# KiCad board LivSynth_Hardware.kicad_pcb (continued)
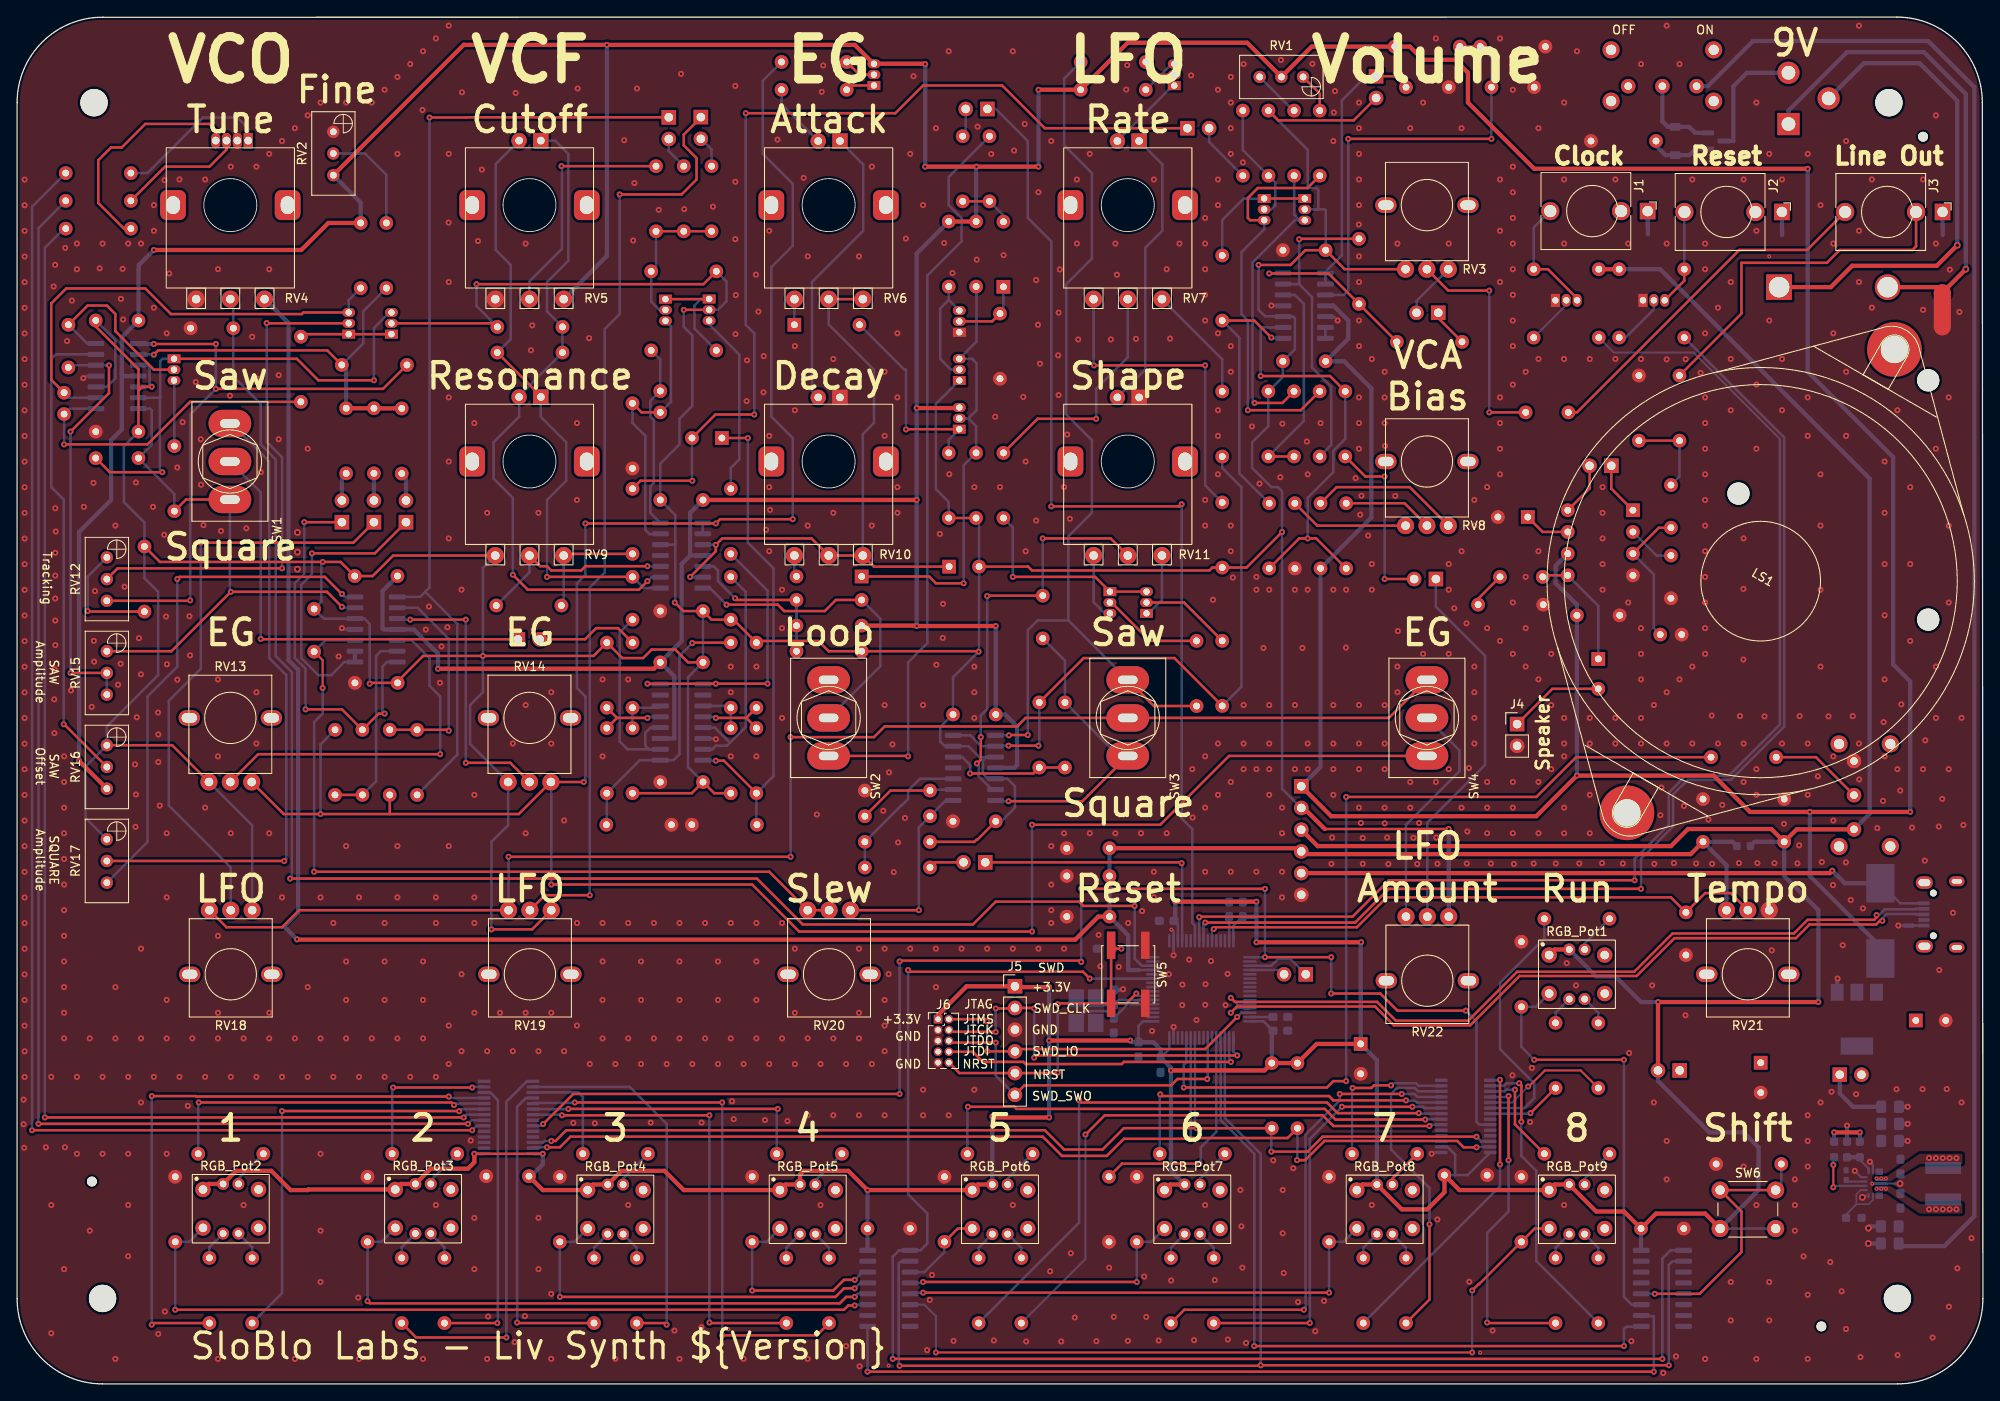
[diagram p0: board, top side]
## Placement (name value [footprint] x y rotation side) (continued)
R54  2K  [R_Axial_DIN0207_L6.3mm_D2.5mm_P7.62mm_Horizontal]  141 103.14 270 bottom
R55  2K2  [R_Axial_DIN0207_L6.3mm_D2.5mm_P7.62mm_Horizontal]  63.69 91.08 180 bottom
R56  100K  [R_Axial_DIN0207_L6.3mm_D2.5mm_P7.62mm_Horizontal]  155.5 103.04 270 bottom
R57  24K  [R_Axial_DIN0207_L6.3mm_D2.5mm_P7.62mm_Horizontal]  152.5 95.42 90 bottom
R58  150K  [R_Axial_DIN0207_L6.3mm_D2.5mm_P7.62mm_Horizontal]  149.5 103.04 270 bottom
R59  47K  [R_Axial_DIN0207_L6.3mm_D2.5mm_P7.62mm_Horizontal]  146.5 95.42 90 bottom
R60  82K  [R_Axial_DIN0207_L6.3mm_D2.5mm_P7.62mm_Horizontal]  91.19 91.73 0 bottom
R61  10R  [R_Axial_DIN0207_L6.3mm_D2.5mm_P7.62mm_Horizontal]  170.94 91.18 0 bottom
R62  1M  [R_Axial_DIN0207_L6.3mm_D2.5mm_P7.62mm_Horizontal]  141 86.95 270 bottom
R63  1M  [R_Axial_DIN0207_L6.3mm_D2.5mm_P7.62mm_Horizontal]  138 86.94 270 bottom
R64  100K  [R_Axial_DIN0207_L6.3mm_D2.5mm_P7.62mm_Horizontal]  91.19 85.73 0 bottom
R65  390  [R_Axial_DIN0207_L6.3mm_D2.5mm_P7.62mm_Horizontal]  14.9 90.37 90 bottom
R66  100K  [R_Axial_DIN0207_L6.3mm_D2.5mm_P7.62mm_Horizontal]  98.81 88.73 180 bottom
R67  100  [R_Axial_DIN0207_L6.3mm_D2.5mm_P7.62mm_Horizontal]  86.5 79.12 90 bottom
R68  10K  [R_Axial_DIN0207_L6.3mm_D2.5mm_P7.62mm_Horizontal]  83.5 86.74 270 bottom
R69  10K  [R_Axial_DIN0207_L6.3mm_D2.5mm_P7.62mm_Horizontal]  72 86.74 270 bottom
R70  100  [R_Axial_DIN0207_L6.3mm_D2.5mm_P7.62mm_Horizontal]  69 79.12 90 bottom
R71  51K  [R_Axial_DIN0207_L6.3mm_D2.5mm_P7.62mm_Horizontal]  122.6 79.74 270 bottom
R72  100K  [R_Axial_DIN0207_L6.3mm_D2.5mm_P7.62mm_Horizontal]  119.6 72.12 90 bottom
R73  10K  [R_Axial_DIN0207_L6.3mm_D2.5mm_P7.62mm_Horizontal]  205.81 73.33 180 bottom
R74  4K7  [R_Axial_DIN0207_L6.3mm_D2.5mm_P7.62mm_Horizontal]  86.5 76.74 270 bottom
R75  100  [R_Axial_DIN0207_L6.3mm_D2.5mm_P7.62mm_Horizontal]  83.5 69.12 90 bottom
R76  100  [R_Axial_DIN0207_L6.3mm_D2.5mm_P7.62mm_Horizontal]  72 69.12 90 bottom
R77  4k7  [R_Axial_DIN0207_L6.3mm_D2.5mm_P7.62mm_Horizontal]  69 76.74 270 bottom
R78  100K  [R_Axial_DIN0207_L6.3mm_D2.5mm_P7.62mm_Horizontal]  46.8 76.54 270 bottom
R79  100K  [R_Axial_DIN0207_L6.3mm_D2.5mm_P7.62mm_Horizontal]  43.6 68.92 90 bottom
R80  100K  [R_Axial_DIN0207_L6.3mm_D2.5mm_P7.62mm_Horizontal]  40.4 68.92 90 bottom
R81  100K  [R_Axial_DIN0207_L6.3mm_D2.5mm_P7.62mm_Horizontal]  37.2 76.54 270 bottom
R82  100K  [R_Axial_DIN0207_L6.3mm_D2.5mm_P7.62mm_Horizontal]  99.19 69.43 0 bottom
R83  100K  [R_Axial_DIN0207_L6.3mm_D2.5mm_P7.62mm_Horizontal]  99.19 66.43 0 bottom
R84  330K  [R_Axial_DIN0207_L6.3mm_D2.5mm_P7.62mm_Horizontal]  106.81 63.43 180 bottom
R85  2K7  [R_Axial_DIN0207_L6.3mm_D2.5mm_P7.62mm_Horizontal]  78.94 65.43 0 bottom
R86  2K7  [R_Axial_DIN0207_L6.3mm_D2.5mm_P7.62mm_Horizontal]  76.56 65.43 180 bottom
R87  100K  [R_Axial_DIN0207_L6.3mm_D2.5mm_P7.62mm_Horizontal]  106.81 60.43 180 bottom
R88  220R  [R_Axial_DIN0207_L6.3mm_D2.5mm_P7.62mm_Horizontal]  186.31 54.43 180 bottom
R89  10K  [R_Axial_DIN0207_L6.3mm_D2.5mm_P7.62mm_Horizontal]  176 51.74 270 bottom
R90  470R  [R_Axial_DIN0207_L6.3mm_D2.5mm_P7.62mm_Horizontal]  185 42.24 270 bottom
R91  220R  [R_Axial_DIN0207_L6.3mm_D2.5mm_P7.62mm_Horizontal]  180 34.62 90 bottom
R92  4K7  [R_Axial_DIN0207_L6.3mm_D2.5mm_P7.62mm_Horizontal]  149.8 37.54 270 bottom
R93  4K7  [R_Axial_DIN0207_L6.3mm_D2.5mm_P7.62mm_Horizontal]  146.8 37.54 270 bottom
R94  402K  [R_0603_1608Metric_Pad0.98x0.95mm_HandSolder]  215.6 27.43 270 bottom
R95  39K  [R_0603_1608Metric_Pad0.98x0.95mm_HandSolder]  214.1 27.43 90 bottom
R96  100K  [R_0603_1608Metric_Pad0.98x0.95mm_HandSolder]  212.6 27.43 270 bottom
R97  220R  [R_Axial_DIN0207_L6.3mm_D2.5mm_P7.62mm_Horizontal]  141.31 26.93 180 bottom
R98  220R  [R_Axial_DIN0207_L6.3mm_D2.5mm_P7.62mm_Horizontal]  118.81 26.93 180 bottom
R99  220R  [R_Axial_DIN0207_L6.3mm_D2.5mm_P7.62mm_Horizontal]  96.5 26.93 180 bottom
R100  220R  [R_Axial_DIN0207_L6.3mm_D2.5mm_P7.62mm_Horizontal]  73.81 26.93 180 bottom
R101  220R  [R_Axial_DIN0207_L6.3mm_D2.5mm_P7.62mm_Horizontal]  186.31 26.93 180 bottom
R102  220R  [R_Axial_DIN0207_L6.3mm_D2.5mm_P7.62mm_Horizontal]  163.81 26.93 180 bottom
R103  220R  [R_Axial_DIN0207_L6.3mm_D2.5mm_P7.62mm_Horizontal]  51.5 26.93 180 bottom
R104  220R  [R_Axial_DIN0207_L6.3mm_D2.5mm_P7.62mm_Horizontal]  28.81 26.93 180 bottom
R105  10K  [R_Axial_DIN0207_L6.3mm_D2.5mm_P7.62mm_Horizontal]  131 24.24 270 bottom
R106  10K  [R_Axial_DIN0207_L6.3mm_D2.5mm_P7.62mm_Horizontal]  127.75 24.24 270 bottom
R107  10K  [R_Axial_DIN0207_L6.3mm_D2.5mm_P7.62mm_Horizontal]  108.5 24.24 270 bottom
R108  10K  [R_Axial_DIN0207_L6.3mm_D2.5mm_P7.62mm_Horizontal]  86 24.24 270 bottom
R109  10K  [R_Axial_DIN0207_L6.3mm_D2.5mm_P7.62mm_Horizontal]  63.5 24.24 270 bottom
R110  10K  [R_Axial_DIN0207_L6.3mm_D2.5mm_P7.62mm_Horizontal]  41 24.24 270 bottom
R111  10K  [R_Axial_DIN0207_L6.3mm_D2.5mm_P7.62mm_Horizontal]  18.5 24.24 270 bottom
R112  10K  [R_Axial_DIN0207_L6.3mm_D2.5mm_P7.62mm_Horizontal]  176 24.24 270 bottom
R113  10K  [R_Axial_DIN0207_L6.3mm_D2.5mm_P7.62mm_Horizontal]  153.5 24.24 270 bottom
R114  10K  [R_Axial_DIN0207_L6.3mm_D2.5mm_P7.62mm_Horizontal]  206.41 25.73 180 bottom
R115  10K  [R_0603_1608Metric_Pad0.98x0.95mm_HandSolder]  214.9 19.43 180 bottom
R116  470R  [R_Axial_DIN0207_L6.3mm_D2.5mm_P7.62mm_Horizontal]  185 14.74 270 bottom
R117  220R  [R_Axial_DIN0207_L6.3mm_D2.5mm_P7.62mm_Horizontal]  180 7.12 90 bottom
R118  470R  [R_Axial_DIN0207_L6.3mm_D2.5mm_P7.62mm_Horizontal]  162.5 14.74 270 bottom
R119  220R  [R_Axial_DIN0207_L6.3mm_D2.5mm_P7.62mm_Horizontal]  157.5 7.12 90 bottom
R120  470R  [R_Axial_DIN0207_L6.3mm_D2.5mm_P7.62mm_Horizontal]  140 14.74 270 bottom
R121  220R  [R_Axial_DIN0207_L6.3mm_D2.5mm_P7.62mm_Horizontal]  135 7.12 90 bottom
R122  470R  [R_Axial_DIN0207_L6.3mm_D2.5mm_P7.62mm_Horizontal]  50 14.74 270 bottom
R123  220R  [R_Axial_DIN0207_L6.3mm_D2.5mm_P7.62mm_Horizontal]  45 7.12 90 bottom
R124  470R  [R_Axial_DIN0207_L6.3mm_D2.5mm_P7.62mm_Horizontal]  27.5 14.74 270 bottom
R125  220R  [R_Axial_DIN0207_L6.3mm_D2.5mm_P7.62mm_Horizontal]  22.5 7.12 90 bottom
R126  470R  [R_Axial_DIN0207_L6.3mm_D2.5mm_P7.62mm_Horizontal]  117.5 14.74 270 bottom
R127  220R  [R_Axial_DIN0207_L6.3mm_D2.5mm_P7.62mm_Horizontal]  112.5 7.12 90 bottom
R128  470R  [R_Axial_DIN0207_L6.3mm_D2.5mm_P7.62mm_Horizontal]  95 14.74 270 bottom
R129  220R  [R_Axial_DIN0207_L6.3mm_D2.5mm_P7.62mm_Horizontal]  90 7.12 90 bottom
R130  470R  [R_Axial_DIN0207_L6.3mm_D2.5mm_P7.62mm_Horizontal]  72.5 14.74 270 bottom
R131  220R  [R_Axial_DIN0207_L6.3mm_D2.5mm_P7.62mm_Horizontal]  67.5 7.12 90 bottom
RGB_Pot1  -  [TC002-N11AS2XT-RGB]  182.5 47.93 0 top
RGB_Pot2  -  [TC002-N11AS2XT-RGB]  25 20.5 0 top
RGB_Pot3  -  [TC002-N11AS2XT-RGB]  47.5 20.5 0 top
RGB_Pot4  -  [TC002-N11AS2XT-RGB]  70 20.43 0 top
RGB_Pot5  -  [TC002-N11AS2XT-RGB]  92.5 20.43 0 top
RGB_Pot6  -  [TC002-N11AS2XT-RGB]  115 20.43 0 top
RGB_Pot7  -  [TC002-N11AS2XT-RGB]  137.5 20.43 0 top
RGB_Pot8  -  [TC002-N11AS2XT-RGB]  160 20.43 0 top
RGB_Pot9  -  [TC002-N11AS2XT-RGB]  182.5 20.43 0 top
RV1  1K  [Potentiometer_Bourns_3296W_Vertical]  150.46 152.93 0 top
RV2  100  [Potentiometer_Bourns_3296W_Vertical]  37 146.51 90 top
RV3  100K  [Alpha_RD901F]  164.95 137.93 0 top
RV4  10K  [RV141F-40-20BL]  24.95 137.93 0 top
RV5  100K  [RV141F-40-20BL]  59.95 137.93 0 top
RV6  100K  [RV141F-40-20BL]  94.95 137.93 0 top
RV7  100K  [RV141F-40-20BL]  129.95 137.93 0 top
RV8  100K  [Alpha_RD901F]  164.95 107.93 0 top
RV9  10K  [RV141F-40-20BL]  59.95 107.93 0 top
RV10  100K  [RV141F-40-20BL]  94.95 107.93 0 top
RV11  100k  [RV141F-40-20BL]  129.95 107.93 0 top
RV12  100  [Potentiometer_Bourns_3296W_Vertical]  10.5 96.71 90 top
RV13  100K  [Alpha_RD901F]  24.95 77.93 0 top
RV14  100K  [Alpha_RD901F]  59.95 77.93 0 top
RV15  100K  [Potentiometer_Bourns_3296W_Vertical]  10.5 85.73 90 top
RV16  100K  [Potentiometer_Bourns_3296W_Vertical]  10.5 74.73 90 top
RV17  100K  [Potentiometer_Bourns_3296W_Vertical]  10.5 63.73 90 top
RV18  100K  [Alpha_RD901F]  25 47.93 180 top
RV19  100K  [Alpha_RD901F]  60 47.93 180 top
RV20  100K  [Alpha_RD901F]  95 47.93 180 top
RV21  10K  [Alpha_RD901F]  202.5 47.93 180 top
RV22  100K  [Alpha_RD901F]  165 47.18 180 top
SW1  SW_SPDT  [SW_Toggle_MS500C]  24.9 107.93 90 top
SW2  SW_SPST  [SW_Toggle_MS500C]  94.95 77.93 90 top
SW3  SW_SPDT  [SW_Toggle_MS500C]  129.95 77.93 270 top
SW4  SW_SPDT  [SW_Toggle_MS500C]  164.95 77.93 90 top
SW5  SW_Push  [SW_SPST_EVQQ2]  130 47.93 270 top
SW6  SW_Push  [E-Switch_TL1105SP]  202.5 20.43 0 top
SW7  SW_SPDT  [SW_E-Switch_EG1224_SPDT_Angled]  188.5 151.85 0 bottom
SW8  SW_SPDT  [SW_E-Switch_EG1224_SPDT_Angled]  214.92 72.89 270 bottom
TH1  2K 3300ppm LT16S202F33  [R_Axial_DIN0207_L6.3mm_D2.5mm_P7.62mm_Horizontal]  37.99 119.23 0 bottom
U1  TL074  [SOIC-14_3.9x8.7mm_P1.27mm]  150.6 126.15 180 bottom
U2  TL074  [SOIC-14_3.9x8.7mm_P1.27mm]  11.7 117.93 180 bottom
U3  LM386  [DIP-8_W7.62mm_Socket]  189.05 102.23 180 bottom
U4  TL074  [SOIC-14_3.9x8.7mm_P1.27mm]  42 88.28 180 bottom
U5  TL074  [SOIC-14_3.9x8.7mm_P1.27mm]  77.75 96.93 180 bottom
U6  TL074  [SOIC-14_3.9x8.7mm_P1.27mm]  112 72.08 180 bottom
U7  LM13700  [SOP-16_3.9x9.9mm_P1.27mm]  77.75 77.43 180 bottom
U8  LM1117-3.3  [SOT-223-3_TabPin2]  215.25 42.68 270 bottom
U9  STM32F405RGT6  [LQFP-64_10x10mm_P0.5mm]  138.56 46.18 0 bottom
U10  PCA9685PW  [TSSOP-28_4.4x9.7mm_P0.65mm]  169.5 31.3 0 bottom
U11  PCA9685PW  [TSSOP-28_4.4x9.7mm_P0.65mm]  57.5 31.18 0 bottom
U12  TPS63070  [TPS63070x]  217.35 23.43 0 bottom
U13  74HC165  [SOIC-16_3.9x9.9mm_P1.27mm]  192.5 11.18 180 bottom
U14  74HC165  [SOIC-16_3.9x9.9mm_P1.27mm]  102 11.18 180 bottom
Y1  ABM8-16.000MHZ-D1X-T  [Crystal_SMD_3225-4Pin_3.2x2.5mm_HandSoldering]  125.06 43.68 270 bottom

## Library data of the parts
C38 C40 C42 C48 C50 C51 = -: LCSC: C282518
C39 C46 = -: LCSC: C268016
C44 C47 = -: LCSC: C519484
C53-C55 = -: LCSC: C415296
C56 C60 = -: LCSC: C96446
C57 = -: LCSC: C1523
C63 C64 = -: LCSC: C109040
D4 = -: LCSC: C438308
D6 D7 D11 = -: Field4: K
L1 = -: LCSC: C279945
Q3 = -: LCSC: C347476
R94 = -: LCSC: C844562
R95 = -: LCSC: C163424
R115 = -: LCSC: C25804
SW1-SW4 = -: Field4: https://cdn-reichelt.de/documents/datenblatt/C200/MS-500X-X-X.pdf
U1 U2 U4-U6 = -: LCSC: C2057504
U7 = -: LCSC: C4370932
U8 = -: LCSC: C126027
U9 = -: LCSC: C15742
U10 U11 = -: LCSC: C2678753
U12 = -: LCSC: C109322
U13 U14 = -: LCSC: C7334
Y1 = -: LCSC: C1985300

## Footprints (pads in the part's own frame, mm; a bottom-side part is the same pattern mirrored in y, then rotated)
Alpha_RD901F
  round 2 hole 1: 1(-2.5,-7.5) 2(0,-7.5) 3(2.5,-7.5)
  oval 2.5x1.8 hole 1.8x1.1: 4(-4.8,0) 5(4.8,0)
BarrelJack_CUI_PJ-102AH_Horizontal
  rect 2.6x2.6 hole 1.6: 1(0,0)
  round 2.6 hole 1.6: 2(0,-6) 3(4.7,-3)
BatteryHolder_Eagle_12BH611-GR
  round 2.6 hole 2.6 unplated: (-38.9,17.45) (-24.15,-4.75) (-10.9,17.45)
  rect 3x3 hole 2.4: 1(0,0)
  round 3 hole 2.4: 2(0,12.7)
C_0402_1005Metric_Pad0.74x0.62mm_HandSolder
  rrect 0.735x0.62 smd: 1(-0.568,0) 2(0.568,0)
C_0603_1608Metric_Pad1.08x0.95mm_HandSolder
  rrect 1.075x0.95 smd: 1(-0.863,0) 2(0.863,0)
C_0805_2012Metric_Pad1.18x1.45mm_HandSolder
  rrect 1.175x1.45 smd: 1(-1.038,0) 2(1.038,0)
C_Disc_D3.0mm_W1.6mm_P2.50mm
  round 1.6 hole 0.8: 1(0,0) 2(2.5,0)
C_Rect_L7.2mm_W2.5mm_P5.00mm_FKS2_FKP2_MKS2_MKP2
  round 1.6 hole 0.8: 1(0,0) 2(5,0)
C_Rect_L7.2mm_W4.5mm_P5.00mm_FKS2_FKP2_MKS2_MKP2
  round 1.6 hole 0.8: 1(0,0) 2(5,0)
C_Rect_L7.2mm_W5.5mm_P5.00mm_FKS2_FKP2_MKS2_MKP2
  round 1.6 hole 0.8: 1(0,0) 2(5,0)
CP_Radial_D8.0mm_P3.50mm
  rect 1.6x1.6 hole 0.8: 1(0,0)
  round 1.6 hole 0.8: 2(3.5,0)
Crystal_SMD_3225-4Pin_3.2x2.5mm_HandSoldering
  rect 2.1x1.8 smd: 1(-1.45,-1.15) 2(1.45,-1.15) 3(1.45,1.15) 4(-1.45,1.15)
D_DO-35_SOD27_P7.62mm_Horizontal
  rect 1.6x1.6 hole 0.8: 1(0,0)
  oval 1.6x1.6 hole 0.8: 2(7.62,0)
D_SMC_Handsoldering
  rect 4.5x3.3 smd: 1(-4.4,0) 2(4.4,0)
D_SOD-123
  rect 0.9x1.2 smd: 1(-1.65,0) 2(1.65,0)
DIP-8_W7.62mm_Socket
  rect 1.6x1.6 hole 0.8: 1(0,0)
  oval 1.6x1.6 hole 0.8: 2(0,-2.54) 3(0,-5.08) 4(0,-7.62) 5(7.62,-7.62) 6(7.62,-5.08) 7(7.62,-2.54) 8(7.62,0)
E-Switch_TL1105SP
  round 2 hole 1.1: 1(-3.25,2.25) 1(3.25,2.25) 2(-3.25,-2.25) 2(3.25,-2.25)
JLCPCB_ToolingHole
  round 1.3 hole 1.152 unplated: (0,0)
L_0603_1608Metric
  rrect 0.875x0.95 smd: 1(-0.787,0) 2(0.787,0)
L_Sunlord_SWPA5020S
  rect 1.4x4.2 smd: 1(-1.85,0) 2(1.85,0)
LED_D5.0mm
  rect 1.8x1.8 hole 0.9: 1(0,0)
  round 1.8 hole 0.9: 2(2.54,0)
LED_D5.0mm-4_RGB
  rect 1.07x1.8 hole 0.9: 1(0,0)
  oval 1.07x1.8 hole 0.9: 2(1.27,0) 3(2.54,0) 4(3.81,0)
LQFP-64_10x10mm_P0.5mm
  rrect 1.55x0.3 smd: 1(-5.675,3.75) 2(-5.675,3.25) 3(-5.675,2.75) 4(-5.675,2.25) 5(-5.675,1.75) 6(-5.675,1.25) 7(-5.675,0.75) 8(-5.675,0.25) 9(-5.675,-0.25) 10(-5.675,-0.75) 11(-5.675,-1.25) 12(-5.675,-1.75) 13(-5.675,-2.25) 14(-5.675,-2.75) 15(-5.675,-3.25) 16(-5.675,-3.75) 33(5.675,-3.75) 34(5.675,-3.25) 35(5.675,-2.75) 36(5.675,-2.25) 37(5.675,-1.75) 38(5.675,-1.25) 39(5.675,-0.75) 40(5.675,-0.25) 41(5.675,0.25) 42(5.675,0.75) 43(5.675,1.25) 44(5.675,1.75) 45(5.675,2.25) 46(5.675,2.75) 47(5.675,3.25) 48(5.675,3.75)
  rrect 0.3x1.55 smd: 17(-3.75,-5.675) 18(-3.25,-5.675) 19(-2.75,-5.675) 20(-2.25,-5.675) 21(-1.75,-5.675) 22(-1.25,-5.675) 23(-0.75,-5.675) 24(-0.25,-5.675) 25(0.25,-5.675) 26(0.75,-5.675) 27(1.25,-5.675) 28(1.75,-5.675) 29(2.25,-5.675) 30(2.75,-5.675) 31(3.25,-5.675) 32(3.75,-5.675) 49(3.75,5.675) 50(3.25,5.675) 51(2.75,5.675) 52(2.25,5.675) 53(1.75,5.675) 54(1.25,5.675) 55(0.75,5.675) 56(0.25,5.675) 57(-0.25,5.675) 58(-0.75,5.675) 59(-1.25,5.675) 60(-1.75,5.675) 61(-2.25,5.675) 62(-2.75,5.675) 63(-3.25,5.675) 64(-3.75,5.675)
LSM-50M NO-B
  round 3.6 hole 3.2: 1(0,-31.3) 2(0,31.3)
  round 6.4 smd: 1(0,-31.3) 2(0,31.3)
MountingHole_3.2mm_M3
  round 3.2 hole 3.2 unplated: (0,0)
NetTie-2_SMD_Pad0.5mm_noCourtyard
  round 0.5 smd: 1(-0.5,0) 2(0.5,0)
NetTie-2_SMD_Pad2.0mm
  round 2 smd: 1(-2,0) 2(2,0)
PinHeader_1x02_P2.54mm_Vertical
  rect 1.7x1.7 hole 1: 1(0,0)
  oval 1.7x1.7 hole 1: 2(0,-2.54)
PinHeader_1x06_P2.54mm_Vertical
  rect 1.7x1.7 hole 1: 1(0,0)
  oval 1.7x1.7 hole 1: 2(0,-2.54) 3(0,-5.08) 4(0,-7.62) 5(0,-10.16) 6(0,-12.7)
PinHeader_2x05_P1.27mm_Vertical
  rect 1x1 hole 0.65: 1(0,0)
  oval 1x1 hole 0.65: 2(1.27,0) 3(0,-1.27) 4(1.27,-1.27) 5(0,-2.54) 6(1.27,-2.54) 7(0,-3.81) 8(1.27,-3.81) 9(0,-5.08) 10(1.27,-5.08)
Potentiometer_Bourns_3296W_Vertical
  round 1.44 hole 0.8: 1(0,0) 2(-2.54,0) 3(-5.08,0)
R_0603_1608Metric_Pad0.98x0.95mm_HandSolder
  rrect 0.975x0.95 smd: 1(-0.912,0) 2(0.912,0)
R_Axial_DIN0207_L6.3mm_D2.5mm_P7.62mm_Horizontal
  round 1.6 hole 0.8: 1(0,0)
  oval 1.6x1.6 hole 0.8: 2(7.62,0)
RV141F-40-20BL
  round 2 hole 1: 1(-4,-11) 2(0,-11) 3(4,-11)
  rrect 3x3.5 hole 1.6x2.1: 4(-6.7,0) 5(6.7,0)
SOIC-14_3.9x8.7mm_P1.27mm
  rrect 1.95x0.6 smd: 1(-2.475,3.81) 2(-2.475,2.54) 3(-2.475,1.27) 4(-2.475,0) 5(-2.475,-1.27) 6(-2.475,-2.54) 7(-2.475,-3.81) 8(2.475,-3.81) 9(2.475,-2.54) 10(2.475,-1.27) 11(2.475,0) 12(2.475,1.27) 13(2.475,2.54) 14(2.475,3.81)
SOIC-16_3.9x9.9mm_P1.27mm
  rrect 1.95x0.6 smd: 1(-2.475,4.445) 2(-2.475,3.175) 3(-2.475,1.905) 4(-2.475,0.635) 5(-2.475,-0.635) 6(-2.475,-1.905) 7(-2.475,-3.175) 8(-2.475,-4.445) 9(2.475,-4.445) 10(2.475,-3.175) 11(2.475,-1.905) 12(2.475,-0.635) 13(2.475,0.635) 14(2.475,1.905) 15(2.475,3.175) 16(2.475,4.445)
SOP-16_3.9x9.9mm_P1.27mm
  rrect 2x0.6 smd: 1(-2.5,4.445) 2(-2.5,3.175) 3(-2.5,1.905) 4(-2.5,0.635) 5(-2.5,-0.635) 6(-2.5,-1.905) 7(-2.5,-3.175) 8(-2.5,-4.445) 9(2.5,-4.445) 10(2.5,-3.175) 11(2.5,-1.905) 12(2.5,-0.635) 13(2.5,0.635) 14(2.5,1.905) 15(2.5,3.175) 16(2.5,4.445)
SOT-23
  rrect 1.475x0.6 smd: 1(-0.938,0.95) 2(-0.938,-0.95) 3(0.938,0)
SOT-223-3_TabPin2
  rect 2x1.5 smd: 1(-3.15,2.3) 2(-3.15,0) 3(-3.15,-2.3)
  rect 2x3.8 smd: 2(3.15,0)
SW_E-Switch_EG1224_SPDT_Angled
  round 2 hole 1.2: (-2,-4.25) (-2,1.75) (10,-4.25) (10,1.75)
  round 1.7 hole 0.9: 1(0,0) 2(4,0) 3(8,0)
SW_SPST_EVQQ2
  rect 3.2x1 smd: 1(-3.4,2) 1(3.4,2) 2(-3.4,-2) 2(3.4,-2)
SW_Toggle_MS500C
  oval 3.2x5 hole 1x2.3: 1(-4.45,0) 2(0,0) 3(4.45,0)
TC002-N11AS2XT-RGB
  round 1.8 hole 1: 1(-3.25,2.25) 2(3.25,2.25) 3(-3.25,-2.25) 4(3.25,-2.25)
  round 1.4 hole 0.8: 5(-0.9,2.9) 6(0.9,2.9) 7(0.9,-2.9) 8(-0.9,-2.9)
Thonkiconn_PJ398SM
  rect 1.93x1.83 hole 1.22: 1(0,6.48)
  round 2.13 hole 1.42: 2(0,3.38)
  round 2.13 hole 1.43: 3(0,-4.92)
TO-92_Inline
  rect 1.05x1.5 hole 0.75: 1(0,0)
  oval 1.05x1.5 hole 0.75: 2(1.27,0) 3(2.54,0)
TPS63070x
  rect 0.6x0.24 smd: 1(-1.15,0.75) 2(-1.15,0.25) 3(-1.15,-0.25) 4(-1.15,-0.75)
  rect 0.24x0.6 smd: 5(-0.725,-1.4) 6(-0.225,-1.4) 14(-0.225,1.4) 15(-0.725,1.4)
  rect 0.85x0.7 smd: 7(0.525,-1.4) 8(0.525,-1.4) 12(0.525,1.4) 13(0.525,1.4)
  rect 1.45x0.35 smd: 9(0.775,-0.5) 11(0.775,0.5)
  rect 1.8x0.35 smd: 10(0.6,0)
TSSOP-28_4.4x9.7mm_P0.65mm
  rrect 1.475x0.4 smd: 1(-2.862,4.225) 2(-2.862,3.575) 3(-2.862,2.925) 4(-2.862,2.275) 5(-2.862,1.625) 6(-2.862,0.975) 7(-2.862,0.325) 8(-2.862,-0.325) 9(-2.862,-0.975) 10(-2.862,-1.625) 11(-2.862,-2.275) 12(-2.862,-2.925) 13(-2.862,-3.575) 14(-2.862,-4.225) 15(2.862,-4.225) 16(2.862,-3.575) 17(2.862,-2.925) 18(2.862,-2.275) 19(2.862,-1.625) 20(2.862,-0.975) 21(2.862,-0.325) 22(2.862,0.325) 23(2.862,0.975) 24(2.862,1.625) 25(2.862,2.275) 26(2.862,2.925) 27(2.862,3.575) 28(2.862,4.225)
USB_Micro-B_Wuerth_629105150521
  oval 0.8x0.8 hole 0.8 unplated: (-2.5,0.8) (2.5,0.8)
  rect 0.45x1.3 smd: 1(-1.3,1.9) 2(-0.65,1.9) 3(0,1.9) 4(0.65,1.9) 5(1.3,1.9)
  oval 1.15x1.8 hole 0.55x1.2: 6(-3.875,-1.95) 6(3.875,-1.95)
  oval 1.45x2 hole 0.85x1.4: 6(-3.725,1.85) 6(3.725,1.85)

## Nets
+3.3V: C32.1 C38.1 C40.1 C45.1 C48.1 C50.1 C51.1 C58.1 C59.1 C61.1 C62.1 FB1.2 J5.1 J6.1 J24.2 J201.3 R25.1 R27.1 R92.1 R93.1 RGB_Pot1.1 RGB_Pot1.5 RGB_Pot2.1 RGB_Pot2.5 RGB_Pot3.1 RGB_Pot3.5 RGB_Pot4.1 RGB_Pot4.5 RGB_Pot5.1 RGB_Pot5.5 RGB_Pot6.1 RGB_Pot6.5 RGB_Pot7.1 RGB_Pot7.5 RGB_Pot8.1 RGB_Pot8.5 RGB_Pot9.1 RGB_Pot9.5 SW6.2 SW8.3 U9.1 U9.19 U9.32 U9.48 U9.64 U10.2 U10.28 U11.1 U11.28 U13.16 U14.16
+3.3VA: C33.1 C36.1 C37.1 C41.1 FB1.1 J201.4 RV4.3 RV21.3 U9.13
+9V: C4.1 C7.1 C16.1 C18.1 C24.1 C27.1 C31.1 C49.1 D12.1 J25.2 J201.1 Q2.3 Q15.3 R2.1 R5.1 R20.1 R21.1 R23.1 R57.1 R66.1 RV1.2 RV2.3 RV5.3 RV16.3 U1.4 U2.4 U3.6 U4.4 U5.4 U6.4 U7.11 U8.3
/Power/Vin: C60.1 C63.1 C64.1 R115.1 SW7.3 U12.12 U12.13
GND: C1.2 C2.2 C3.2 C6.2 C12.2 C15.2 C23.1 C24.2 C26.2 C28.1 C30.2 C32.2 C33.2 C34.2 C35.2 C36.2 C37.2 C38.2 C39.2 C40.2 C41.2 C42.2 C43.2 C44.2 C45.2 C46.2 C47.2 C48.2 C49.2 C50.2 C51.2 C52.2 C53.2 C54.2 C55.2 C56.2 C57.2 C58.2 C59.2 C60.2 C61.2 C62.2 C63.2 C64.2 D3.2 D8.1 D9.1 J4.2 J5.3 J6.3 J6.5 J6.9 J201.6 NT1.1 NT2.1 NT3.1 NT4.1 NT5.1 Q6.1 Q7.1 Q10.1 R1.2 R11.2 R32.2 R41.2 R43.1 R58.2 R61.2 R82.1 R85.1 R86.1 R89.1 R95.2 R105.1 R106.2 R107.1 R108.1 R109.1 R110.1 R111.1 R112.1 R113.1 R114.2 RV2.1 RV4.1 RV5.1 RV21.1 SW5.1 SW8.1 U1.5 U1.11 U2.11 U3.4 U4.11 U5.11 U6.11 U7.6 U8.1 U9.12 U9.18 U9.63 U10.1 U10.3 U10.4 U10.5 U10.14 U10.24 U10.25 U11.2 U11.3 U11.4 U11.5 U11.14 U11.24 U11.25 U12.4 U12.6 U12.10 U12.15 U13.3 U13.4 U13.5 U13.6 U13.8 U13.13 U13.14 U13.15 U14.8 U14.10 U14.15 Y1.2 Y1.4
VBUS: D12.2 J21.1 J201.5
/EG/AR_OUT: R4.2 R79.1 R81.1 RV13.3 RV14.3 SW4.1 U5.1 U5.2
/EG/GATE_OUT: J11.1 U9.23
/IO/ADC_IN1: C6.1 RV4.2 U9.14
/IO/ADC_IN2: C43.1 RV21.2 U9.27
/IO/BTN1: R111.2 RGB_Pot2.3 U14.11
/IO/BTN2: R110.2 RGB_Pot3.3 U14.12
/IO/BTN3: R109.2 RGB_Pot4.3 U14.13
/IO/BTN4: R108.2 RGB_Pot5.3 U14.14
/IO/BTN5: R107.2 RGB_Pot6.3 U14.3
/IO/BTN6: R105.2 RGB_Pot7.3 U14.4
/IO/BTN7: R113.2 RGB_Pot8.3 U14.5
/IO/BTN8: R112.2 RGB_Pot9.3 U14.6
/IO/BTN9: R89.2 RGB_Pot1.3 U13.11
/IO/BTN_SHIFT: R114.1 SW6.1 U13.12
/IO/CLOCK_OUT: R30.1 U9.24
/IO/I2C_SCL_IN: R93.2 U9.58 U10.26 U11.26
/IO/I2C_SDA_IN: R92.2 U9.59 U10.27 U11.27
/IO/LED1_B: R16.2 U11.8
/IO/LED1_G: R15.2 U11.7
/IO/LED1_R: R14.2 U11.6
/IO/LED_OEN: U9.33 U10.23 U11.23
/IO/P1_B: R125.1 U11.11
/IO/P1_G: R104.2 U11.10
/IO/P1_R: R124.2 U11.9
/IO/P2_B: R123.1 U11.15
/IO/P2_G: R103.2 U11.13
/IO/P2_R: R122.2 U11.12
/IO/P3_B: R131.1 U11.18
/IO/P3_G: R100.2 U11.17
/IO/P3_R: R130.2 U11.16
/IO/P4_B: R129.1 U11.21
/IO/P4_G: R99.2 U11.20
/IO/P4_R: R128.2 U11.19
/IO/P5_B: R127.1 U10.8
/IO/P5_G: R98.2 U10.7
/IO/P5_R: R126.2 U10.6
/IO/P6_B: R121.1 U10.11
/IO/P6_G: R97.2 U10.10
/IO/P6_R: R120.2 U10.9
/IO/P7_B: R119.1 U10.15
/IO/P7_G: R102.2 U10.13
/IO/P7_R: R118.2 U10.12
/IO/P8_B: R117.1 U10.18
/IO/P8_G: R101.2 U10.17
/IO/P8_R: R116.2 U10.16
/IO/P9_B: R91.1 U10.21
/IO/P9_G: R88.2 U10.20
/IO/P9_R: R90.2 U10.19
/IO/RESET_OUT: R29.1 U9.25
/IO/SR_SHLDN: U9.11 U13.1 U14.1
/IO/SR_SPI_CLK: U9.51 U13.2 U14.2
/IO/SR_SPI_MISO: U9.52 U13.9
/IO/VCA_IN: J13.1 R35.2
/LFO/LFO_SQA_OUT: R3.2 R63.2 SW3.1 U6.1
/LFO/LFO_TRI_OUT: C25.2 R71.1 SW3.3 U6.7
/MCU/BOOT0: R73.2 U9.60
/MCU/DAC_OUT1: J22.1 U9.20
/MCU/DBG1: J23.1 U9.35
/MCU/DBG2: J23.2 U9.36
/MCU/HSE_IN: C47.1 U9.5 Y1.3
/MCU/HSE_OUT: C44.1 U9.6 Y1.1
/MCU/JTCK-SWCLK: J5.2 J6.4 U9.49
/MCU/JTDI: J6.8 U9.50
/MCU/JTDO-TRACESWO: J5.6 J6.6 U9.55
/MCU/JTMS-SWDIO: J5.4 J6.2 U9.46
/MCU/NRST: C42.1 J5.5 J6.10 SW5.2 U9.7
/MCU/SPI_MOSI: R106.1 U9.53
/MCU/SW_BOOT0: R73.1 SW8.2
/MCU/USB_D+: J21.3 U9.45
/MCU/USB_D-: J21.2 U9.44
/MCU/VCAP_1: C39.1 U9.31
/MCU/VCAP_2: C46.1 U9.47
/ModMatrix/VCA_CV_OUT: J18.1 RV22.2
/ModMatrix/VCF_EG_OUT: J9.1 R78.2 U4.1
/ModMatrix/VCF_LFO_OUT: J8.1 RV19.2
/ModMatrix/VCO_EG_OUT: J17.1 R80.2 U4.7
/ModMatrix/VCO_LFO_OUT: J16.1 RV18.2
/Power/BAT_N: BT1.2 J7.1 NT1.2
/Power/BAT_P: BT1.1 J7.3
/Power/FB: R94.2 R95.1 U12.5
/Power/L1: L1.1 U12.11
/Power/L2: L1.2 U12.9
/Power/PG: R96.2 U12.2
/Power/Vaux: C57.1 U12.3
/Power/VGREF: C1.1 R1.1 R2.2 U1.3
/Power/Vout: C53.1 C54.1 C55.1 C56.1 J25.1 R94.1 R96.1 U12.7 U12.8
/Slew/V/OCT_OUT: J15.1 U4.8 U4.9
/VCA/VCA_IN: C10.2 J10.1 R53.1
/VCF/VCF_IN: J19.1 SW1.2
/VCO/SAW_OUT: C13.2 R48.2 RV15.1 SW1.1 U2.7 U4.13
/VCO/SQUARE_OUT: RV17.2 SW1.3
VGND: C3.1 C4.2 C7.2 C12.1 C16.2 C18.2 C19.2 C20.2 C22.2 C26.1 C27.2 C30.1 C31.2 C34.1 C35.1 J12.2 J201.2 Q5.2 Q8.2 Q11.2 Q13.1 R8.2 R24.2 R31.2 R47.1 R49.2 R51.2 R54.2 R64.2 R65.2 R67.2 R70.2 R75.1 R76.1 R84.1 RV3.1 RV9.1 RV13.1 RV14.1 RV16.1 RV17.1 RV18.1 RV19.1 RV22.1 U1.10 U2.3 U2.5 U2.10 U4.12 U5.12 U6.3 U6.5 U6.13
Net-(C2-Pad1): C2.1 J12.1 U1.1 U1.2
Net-(C5-Pad1): C5.1 RV15.2 RV15.3 U2.12
Net-(C5-Pad2): C5.2 Q14.2 U2.14
Net-(C8-Pad1): C8.1 Q9.3 R43.2 U5.13
Net-(C8-Pad2): C8.2 R33.2 U5.14
Net-(C9-Pad1): C9.1 J3.3
Net-(C9-Pad2): C9.2 RV3.2
Net-(C10-Pad1): C10.1 R74.2 R85.2 U7.8
Net-(C11-Pad1): C11.1 Q12.3 R23.2 U2.9
Net-(C11-Pad2): C11.2 R36.2 U2.8
Net-(C13-Pad1): C13.1 Q11.3 Q14.1 U2.6
Net-(C14-Pad1): C14.1 R40.2 R41.1
Net-(C14-Pad2): C14.2 C28.2 U3.3
Net-(C15-Pad1): C15.1 U3.7
Net-(C17-Pad1): C17.1 C29.1 U3.5
Net-(C17-Pad2): C17.2 R61.1
Net-(C19-Pad1): C19.1 RV20.2 RV20.3 U4.10
Net-(C20-Pad1): C20.1 U7.5 U7.7
Net-(C21-Pad1): C21.1 U7.10 U7.12
Net-(C21-Pad2): C21.2 D5.2 D10.1 R34.1 U5.8
Net-(C22-Pad1): C22.1 RV6.2 RV6.3 RV10.2 RV10.3 U5.3 U5.6
Net-(C23-Pad2): C23.2 U3.2
Net-(C25-Pad1): C25.1 RV11.2 U6.6
Net-(C29-Pad2): C29.2 J4.1
Net-(C52-Pad1): C52.1 J24.1 U8.2
Net-(D1-Pad1): D1.1 D8.2
Net-(D1-Pad2): D1.2 Q1.1
Net-(D2-Pad1): D2.1 D9.2
Net-(D2-Pad2): D2.2 R6.2
Net-(D3-Pad1): D3.1 R14.1
Net-(D3-Pad3): D3.3 R15.1
Net-(D3-Pad4): D3.4 R16.1
Net-(D4-Pad1): D4.1 Q3.2 SW7.2
Net-(D4-Pad2): D4.2 Q3.1 R11.1
Net-(D6-Pad1): D6.1 Q10.2 R32.1
Net-(D6-Pad2): D6.2 R12.1 R13.2
Net-(D7-Pad1): D7.1 RV6.1
Net-(D7-Pad2): D7.2 Q15.1 R51.1
Net-(D10-Pad2): D5.1 D10.2 R31.1 R34.2 U5.9
Net-(D11-Pad1): D11.1 Q13.3 Q15.2 R20.2 R49.1
Net-(D11-Pad2): D11.2 RV10.1
Net-(J1-Pad1): J1.1 NT4.2
Net-(J1-Pad3): J1.3 Q7.3 R25.2
Net-(J2-Pad1): J2.1 NT3.2
Net-(J2-Pad3): J2.3 Q6.3 R27.2
Net-(J3-Pad1): J3.1 NT2.2
Net-(J3-Pad2): J3.2 R40.1
Net-(J7-Pad2): J7.2 Q3.3
Net-(J8-Pad2): J8.2 R17.1
Net-(J9-Pad2): J9.2 R18.1
Net-(J10-Pad2): J10.2 R10.1
Net-(J11-Pad2): J11.2 R13.1
Net-(J13-Pad2): J13.2 RV3.3
Net-(J14-Pad1): J14.1 U3.1
Net-(J14-Pad2): J14.2 U3.8
Net-(J15-Pad2): J15.2 R37.1
Net-(J16-Pad2): J16.2 R38.1
Net-(J17-Pad2): J17.2 R39.1
Net-(J18-Pad2): J18.2 R44.1
Net-(J19-Pad2): J19.2 R69.1
Net-(J20-Pad1): LS1.1
Net-(J20-Pad2): LS1.2
Net-(J21-Pad5): J21.5 NT5.2
Net-(J22-Pad2): J22.2 R87.1
Net-(Q1-Pad2): Q1.2 R3.1
Net-(Q1-Pad3): Q1.3 R5.2
Net-(Q2-Pad1): Q2.1 R6.1
Net-(Q2-Pad2): Q2.2 R4.1
Net-(Q4-Pad1): Q4.1 Q5.1 R28.1
Net-(Q4-Pad2): Q4.2 R8.1 R10.2
Net-(Q4-Pad3): Q4.3 R7.2 R45.1
Net-(Q5-Pad3): Q5.3 R9.2 R46.1
Net-(Q6-Pad2): Q6.2 R29.2
Net-(Q7-Pad2): Q7.2 R30.2
Net-(Q8-Pad1): Q8.1 Q9.1 R33.1
Net-(Q8-Pad3): Q8.3 R52.2
Net-(Q9-Pad2): Q9.2 R17.2 R18.2 R19.2 R24.1